# Altium PCB 11BRANMB10H3_20171026.pcbdoc (part 4 of 7) (continued)
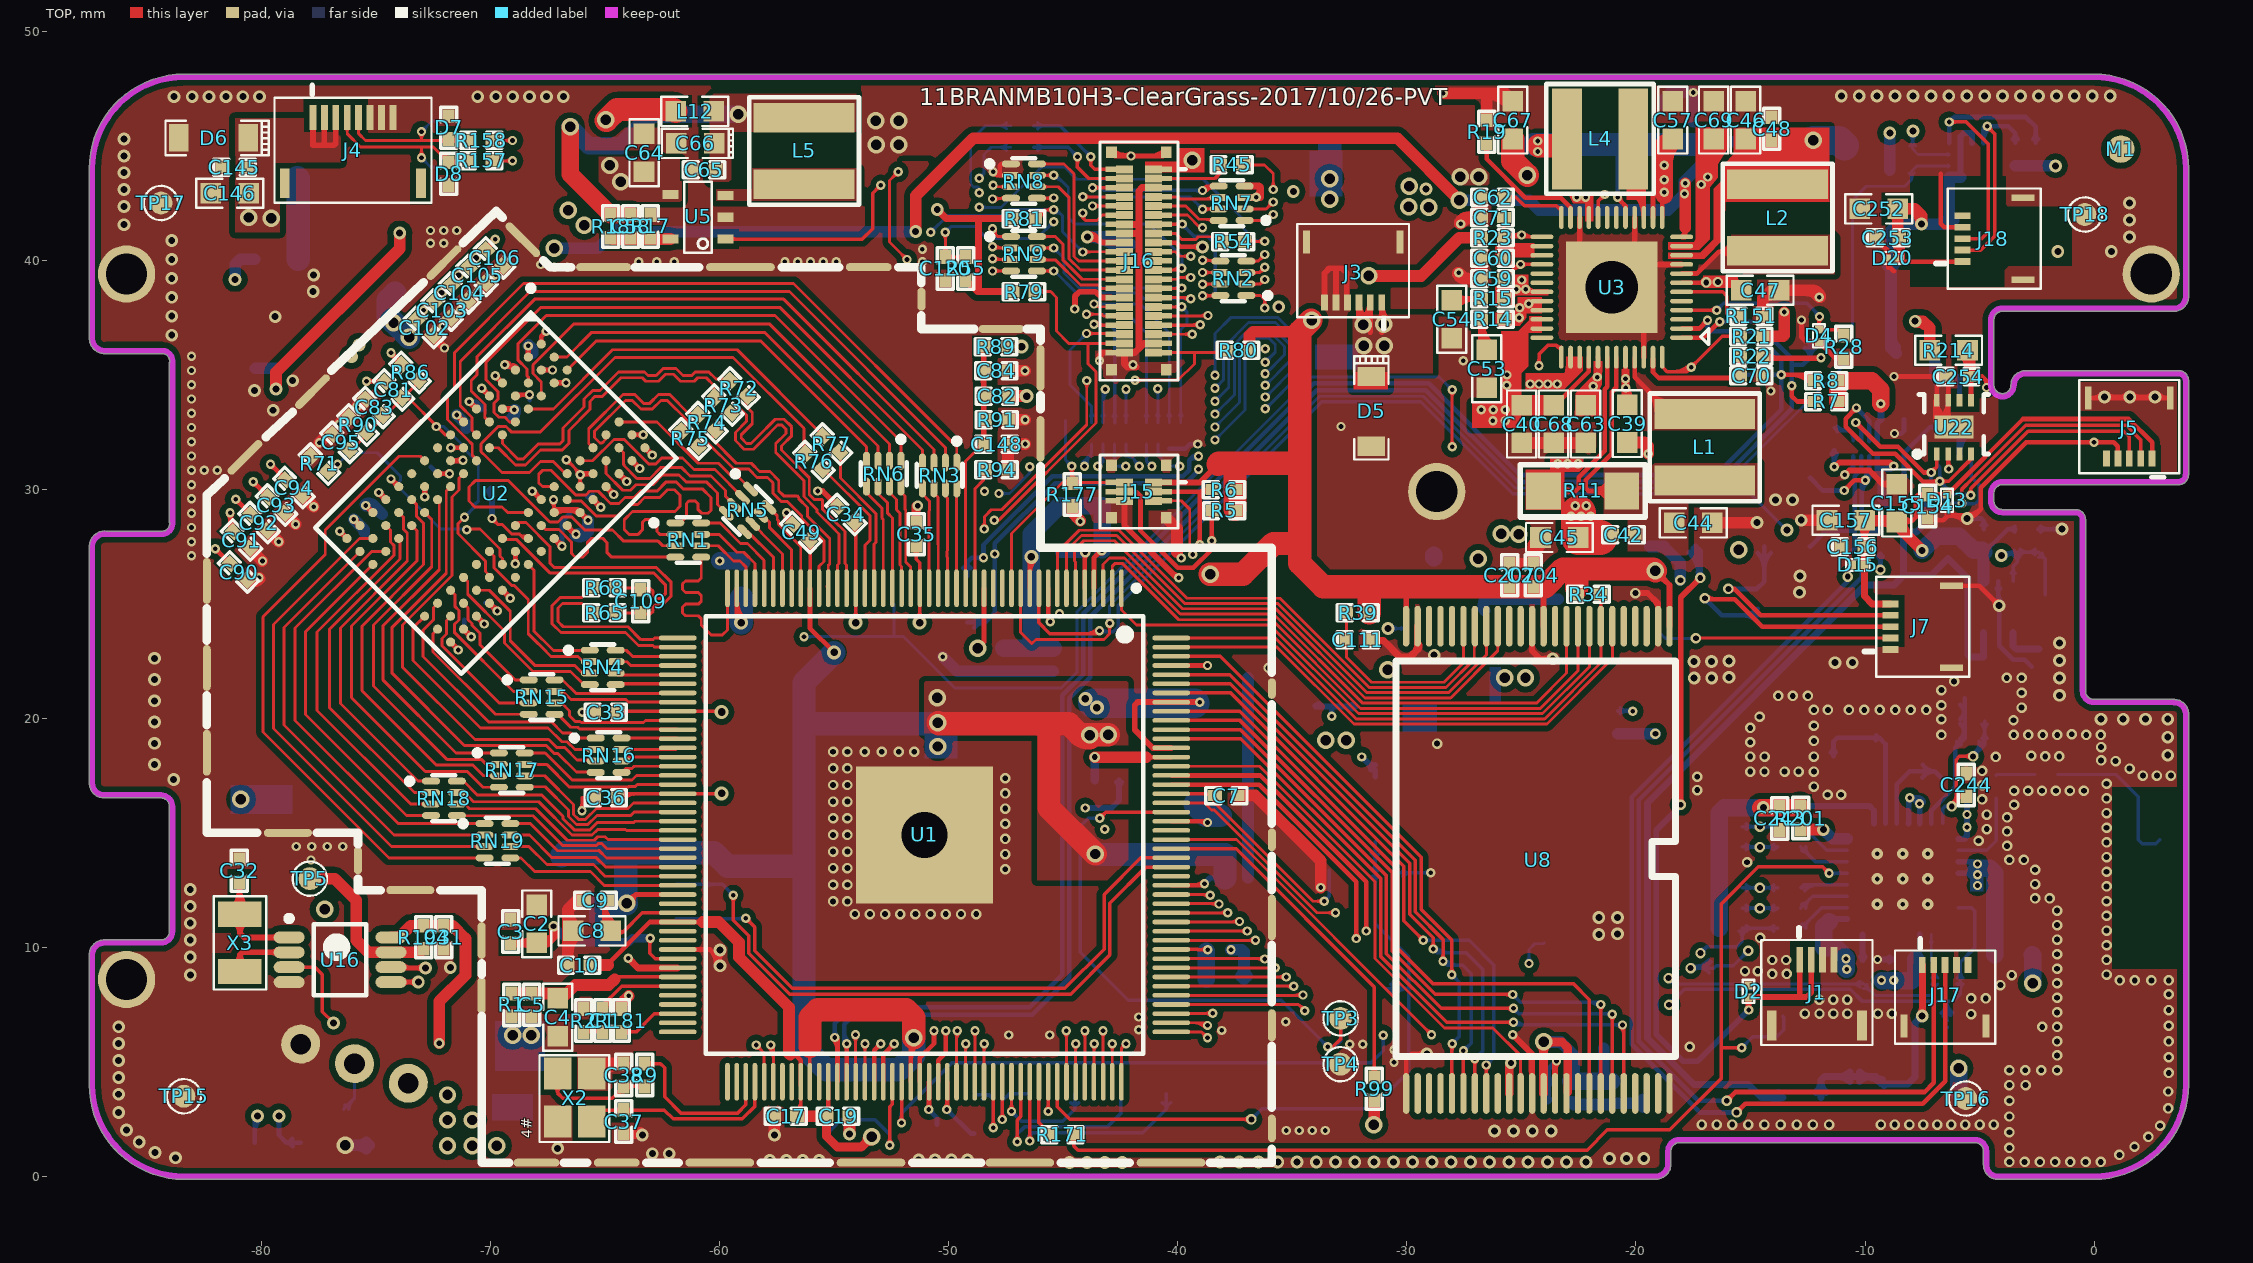
[diagram p0: TOP view]
## Nets (pads, with @x,y where several pads share a name; then routed paths per layer and width w, separated by ;. In a path a pad name is that pad's centre, name@x,y a point inside that pad or via, vN(x,y) a via of type N, cw(c..) or ccw(c..) an arc to the next point about the centre after c; other vN are vias at no path point) (continued)
LCD-D23: RN11.4 U1.130 | length 33
  TOP w0.127: v1@-43.371,6.259 cw(c-43.629,6.002) -43.265,6.002 ; U1.130@-43.265,4.133 v1@-43.265,6.35 ; -43.265,6.039 cw(c-42.954,6.039) v1@-43.174,6.259
  Singal w0.127: v1@-44.178,30.907 cw(c-44.407,30.674) -44.08,30.674 ; v1(-44.08,31.007) -44.08,30.674 ; v1@-43.983,30.907 ccw(c-43.753,30.674) -44.08,30.674 ; v1@-43.371,6.457 ccw(c-43.61,6.695) -43.273,6.695 ccw(c-42.935,6.695) v1@-43.174,6.457 ; v1(-43.273,6.358) -43.273,7.009 -41.723,8.559 -41.723,28.317 -44.08,30.674
  BOTTOM w0.127: v1@-44.193,30.989 cw(c-43.92,31.032) -44.116,31.228 ; v1@-44.156,31.124 ccw(c-44.245,31.263) -44.08,31.263 ; v1(-44.08,31.007) -44.08,31.263 ; v1@-44.068,31.009 cw(c-43.617,31.081) -43.94,31.404 ; v1@-44.005,31.124 cw(c-43.915,31.263) -44.08,31.263 ; -43.995,31.348 cw(c-43.764,31.117) RN11.4@-43.764,31.444 ; v1@-43.942,31.029 cw(c-43.313,31.129) RN11.4@-43.764,31.58 ; RN11.4@-43.764,31.974 RN11.4@-43.764,31.774 RN11.4@-43.764,31.58 ; -44.08,31.263 RN11.4@-43.764,31.58
LCD-DE: R44.2 U1.128 | length 50.9
  TOP w0.127: v1@-44.159,6.259 cw(c-44.397,6.021) -44.06,6.021 cw(c-43.723,6.021) v1@-43.961,6.259 ; U1.128@-44.065,4.133 -44.06,4.138 v1(-44.06,6.358)
  Singal w0.127: v1@-48.814,42.951 cw(c-49.151,42.951) -48.912,42.713 cw(c-48.674,42.474) v1@-48.674,42.812 ; v1(-48.674,42.951) -49.131,42.494 -49.131,32.73 -46.597,30.196 -44.253,30.196 -42.18,28.123 -42.18,8.933 -44.06,7.053 v1(-44.06,6.358) ; v1@-44.159,6.457 ccw(c-44.397,6.695) -44.06,6.695 ccw(c-43.723,6.695) v1@-43.961,6.457
  BOTTOM w0.127: v1(-48.674,42.951) -48.674,43.151 -48.728,43.205 -48.928,43.205 -49.042,43.32 -49.042,45.229 -48.399,45.872 R44.2@-47.299,45.872 ; R44.2@-47.48,45.741 ccw(c-47.799,45.422) -47.799,45.872 ccw(c-47.799,46.323) R44.2@-47.48,46.004
LCD-HSYNC: R46.2 U1.127 | length 51.3
  TOP w0.127: v1@-44.565,5.7 cw(c-44.804,5.462) -44.466,5.462 cw(c-44.129,5.462) v1@-44.368,5.7 ; v1(-44.466,5.799) -44.466,4.134 U1.127@-44.465,4.133
  Singal w0.127: v1@-48.577,43.586 v1(-48.674,43.586) ; v1@-44.565,5.898 ccw(c-44.804,6.136) -44.466,6.136 ccw(c-44.129,6.136) v1@-44.368,5.898 ; v1(-44.466,5.799) -44.466,6.981 -42.409,9.038 -42.409,28.028 -44.348,29.968 -46.692,29.968 -49.376,32.652 -49.376,43.313 -49.103,43.586 ; -49.103,43.586 v1(-48.674,43.586) ; -49.103,43.586 v1(-48.674,43.586) ; -49.011,43.586 cw(c-49.011,43.249) -48.773,43.488 ccw(c-49.011,43.249) -49.011,43.586 ; -49.011,43.586 ccw(c-49.011,43.924) -48.773,43.685 cw(c-49.011,43.924) -49.011,43.586
  BOTTOM w0.127: v1(-48.674,43.586) -48.462,43.799 ; v1@-48.662,43.726 ccw(c-48.64,43.977) -48.462,43.799 ; v1@-48.535,43.598 cw(c-48.283,43.62) -48.462,43.799 ; R46.2@-47.48,44.801 ccw(c-47.799,44.482) -47.799,44.933 ccw(c-47.799,45.383) R46.2@-47.48,45.064 ; R46.2@-47.299,44.933 -48.145,44.933 -48.462,44.616 -48.462,43.799
LCD-PWM0: TP26.1 U1.103 U9.5 | length 77.8
  TOP w0.127: v1@-54.176,6.081 cw(c-54.414,5.843) -54.077,5.843 cw(c-53.74,5.843) v1@-53.978,6.081 ; -54.077,4.975 ccw(c-53.948,4.975) U1.103@-54.039,4.884 ; v1(-54.077,6.18) -54.077,4.145 U1.103@-54.065,4.133 ; v1@-28.127,31.95 ccw(c-28.365,32.189) -28.028,32.189 ccw(c-27.691,32.189) v1@-27.929,31.95 ; v1@-28.127,34.242 cw(c-28.365,34.004) -28.028,34.004 cw(c-27.691,34.004) v1@-27.929,34.242 ; v1(-28.028,31.852) v1(-28.028,34.341)
  Singal w0.127: v1@-56.463,23.561 cw(c-56.768,23.552) -56.552,23.336 ; v1@-56.327,23.425 ccw(c-56.336,23.12) -56.552,23.336 ; v1(-56.323,23.565) -56.552,23.336 ; v1@-54.176,6.279 ccw(c-54.414,6.517) -54.077,6.517 ccw(c-53.74,6.517) v1@-53.978,6.279 ; v1(-54.077,6.18) -54.077,6.625 -56.552,9.1 -56.552,23.336 ; v3(-30.822,23.927) -31.203,24.308 -31.203,30.632 -30.314,31.521 -28.333,31.521 -28.028,31.826 v1(-28.028,31.852) ; -28.284,31.57 ccw(c-28.566,31.852) v1@-28.168,31.852 ; -28.223,31.631 cw(c-28.028,31.436) v1@-28.028,31.712
  BOTTOM w0.127: v1(-56.323,23.565) -51.98,23.565 -49.745,21.329 -45.094,21.329 -44.398,22.026 -44.398,24.67 -34.168,34.9 -28.587,34.9 v1(-28.028,34.341) ; v1@-56.224,23.466 cw(c-55.986,23.227) -55.986,23.565 cw(c-55.986,23.902) v1@-56.224,23.663 ; -52.4,23.577 TP26.1@-52.4,25 ; v3(-30.822,23.927) U9.5@-29.994,23.927 ; v3@-30.669,23.774 cw(c-30.301,23.406) -30.301,23.927 cw(c-30.301,24.448) v3@-30.669,24.079 ; U9.5@-30.239,23.887 ccw(c-30.335,23.79) -30.335,23.927 ccw(c-30.335,24.063) U9.5@-30.239,23.967 ; v1@-28.168,34.341 ccw(c-28.505,34.341) -28.266,34.579 ccw(c-28.028,34.818) v1@-28.028,34.48
LCD-RESET-N: C120.2 J15.5 J16.19 R55.1 U1.117 | length 85.9
  TOP w0.127: C120.2@-50.283,40.325 ccw(c-50.601,40.643) -50.151,40.643 ccw(c-49.701,40.643) C120.2@-50.019,40.325 ; v1@-50.25,41.125 cw(c-50.49,40.886) -50.151,40.886 ; -50.151,40.888 cw(c-49.815,40.888) v1@-50.053,41.125 ; v1@-50.151,41.268 v1(-50.151,41.224) C120.2@-50.151,40.143 R55.1@-49.262,40.143 ; C120.2@-50.019,40.011 cw(c-49.701,39.693) -49.701,40.143 cw(c-49.701,40.593) C120.2@-50.019,40.275 ; R55.1@-49.394,40.011 ccw(c-49.712,39.693) -49.712,40.143 ccw(c-49.712,40.593) R55.1@-49.394,40.275 ; v1@-48.553,5.7 cw(c-48.766,5.488) -48.465,5.488 ; U1.117@-48.465,4.133 v1@-48.465,5.788 ; -48.465,5.436 cw(c-48.091,5.436) v1@-48.355,5.7 ; J15.5@-41.065,29.5 J15.5@-40.475,29.5 -39.854,29.5 -39.483,29.129 -39.483,27.283 v1(-39.352,27.152) ; J16.19@-41.065,40.37 J16.19@-40.475,40.37 -40.109,40.37 -39.915,40.176 v1(-39.432,40.176) v1@-39.407,40.176 ; J15.5@-40.62,29.46 ccw(c-40.716,29.364) -40.716,29.5 ccw(c-40.716,29.636) J15.5@-40.62,29.54 ; J16.19@-40.62,40.33 ccw(c-40.716,40.234) -40.716,40.37 ccw(c-40.716,40.506) J16.19@-40.62,40.41 ; J15.5@-40.33,29.46 cw(c-40.234,29.364) -40.234,29.5 cw(c-40.234,29.636) J15.5@-40.33,29.54 ; J16.19@-40.33,40.33 cw(c-40.234,40.234) -40.234,40.37 cw(c-40.234,40.506) J16.19@-40.33,40.41 ; v1@-39.531,40.077 ccw(c-39.769,39.839) -39.769,40.176 ccw(c-39.769,40.513) v1@-39.531,40.275
  Singal w0.127: v1@-50.25,41.125 cw(c-50.489,40.887) -50.151,40.887 cw(c-49.814,40.887) v1@-50.053,41.125 ; v1(-50.151,41.224) -50.151,32.156 v1(-47.815,29.82) -47.281,29.286 -46.113,29.286 -44.788,27.961 -44.788,23.485 -45.524,22.748 -45.524,7.175 -46.9,5.799 v1(-48.454,5.799) ; v1@-48.355,5.7 cw(c-48.117,5.462) -48.117,5.799 cw(c-48.117,6.136) v1@-48.355,5.898 ; v1@-47.954,29.82 ccw(c-48.292,29.82) -48.053,30.058 ccw(c-47.815,30.297) v1@-47.815,29.959 ; v1@-47.815,29.68 cw(c-47.815,29.343) -47.576,29.581 cw(c-47.338,29.82) v1@-47.675,29.82 ; v1(-46.468,30.988) -45.503,30.988 -44.716,31.775 -39.915,31.775 -39.483,31.343 -39.483,27.283 v1(-39.352,27.152) ; v1@-46.37,30.889 cw(c-46.131,30.651) -46.131,30.988 cw(c-46.131,31.325) v1@-46.37,31.087 ; v1(-45.423,41.681) -42.671,41.681 -41.166,40.176 v1(-39.432,40.176) ; v1@-45.324,41.582 cw(c-45.086,41.344) -45.086,41.681 cw(c-45.086,42.018) v1@-45.324,41.78 ; v1@-39.531,40.077 ccw(c-39.769,39.839) -39.769,40.176 ccw(c-39.769,40.513) v1@-39.531,40.275
  BOTTOM w0.127: v1(-50.151,41.224) -49.898,41.478 -48.864,41.478 -48.344,40.957 -46.146,40.957 v1(-45.423,41.681) ; v1@-50.151,41.364 ccw(c-50.151,41.701) -49.913,41.463 ccw(c-49.674,41.224) v1@-50.012,41.224 ; v1(-47.815,29.82) -47.357,29.82 -46.468,30.709 ; v1@-47.716,29.721 cw(c-47.477,29.482) -47.477,29.82 cw(c-47.477,30.157) v1@-47.716,29.918 ; v1@-46.552,30.876 cw(c-46.678,30.709) -46.468,30.709 ; v1(-46.468,30.988) -46.468,30.709 ; v1@-46.385,30.876 ccw(c-46.259,30.709) -46.468,30.709 ; v1@-45.562,41.681 cw(c-45.9,41.681) -45.661,41.443 cw(c-45.423,41.204) v1@-45.423,41.541
LCD-SPI1_CLK: J16.40 R79.2 U1.115 | length 45.1
  TOP w0.127: v1@-49.366,5.7 cw(c-49.61,5.456) -49.265,5.456 ; U1.115@-49.265,4.133 v1@-49.265,5.797 ; -49.265,5.467 cw(c-48.935,5.467) v1@-49.168,5.7 ; v1(-48.018,28.651) -47.822,28.651 -43.573,32.9 -43.573,35.128 -43.928,35.484 -43.928,36.37 ; R79.2@-46.222,38.633 -45.554,38.633 -45.3,38.379 -45.3,36.906 -44.764,36.37 -43.928,36.37 ; R79.2@-46.041,38.502 cw(c-45.722,38.183) -45.722,38.633 cw(c-45.722,39.084) R79.2@-46.041,38.765 ; J16.40@-43.07,36.33 ccw(c-43.166,36.234) -43.166,36.37 ccw(c-43.166,36.506) J16.40@-43.07,36.41 ; J16.40@-42.78,36.33 cw(c-42.684,36.234) -42.684,36.37 cw(c-42.684,36.506) J16.40@-42.78,36.41 ; J16.40@-42.335,36.37 J16.40@-42.925,36.37 -43.928,36.37
  Singal w0.127: v1@-49.366,5.898 ccw(c-49.612,6.144) -49.264,6.144 ; v1(-49.267,5.799) -49.264,5.802 -49.264,6.51 -49.267,6.514 -49.267,6.672 -48.845,7.094 -48.195,7.094 -46.265,9.024 -46.265,22.061 -46.867,22.663 -46.867,27.011 -48.018,28.162 v1(-48.018,28.651) ; -49.264,6.128 ccw(c-48.938,6.128) v1@-49.168,5.898 ; v1@-48.117,28.552 cw(c-48.355,28.314) -48.018,28.314 cw(c-47.681,28.314) v1@-47.919,28.552
LCD-SPI1_CS0: J16.41 R80.2 U1.114 | length 50
  TOP w0.127: v1@-49.731,6.259 cw(c-49.89,6.1) -49.665,6.1 ; U1.114@-49.665,4.133 v1@-49.665,6.325 ; -49.665,5.941 cw(c-49.215,5.941) v1@-49.533,6.259 ; v1@-48.548,28.369 ccw(c-48.787,28.607) -48.45,28.607 ccw(c-48.112,28.607) v1@-48.351,28.369 ; v1(-48.45,28.27) -48.45,28.804 -48.145,29.108 -47.688,29.108 -43.979,32.817 v1(-43.979,34.747) ; v1@-44.078,34.648 cw(c-44.316,34.41) -43.979,34.41 cw(c-43.642,34.41) v1@-43.88,34.648 ; v1(-41.871,34.766) -39.991,34.766 -39.28,35.477 -39.28,35.97 ; v1@-41.772,34.667 cw(c-41.533,34.429) -41.533,34.766 cw(c-41.533,35.103) v1@-41.772,34.865 ; J16.41@-41.065,35.97 J16.41@-40.475,35.97 -39.28,35.97 ; J16.41@-40.62,35.93 ccw(c-40.716,35.834) -40.716,35.97 ccw(c-40.716,36.106) J16.41@-40.62,36.01 ; J16.41@-40.33,35.93 cw(c-40.234,35.834) -40.234,35.97 cw(c-40.234,36.106) J16.41@-40.33,36.01 ; -38.596,35.97 ccw(c-38.596,36.732) R80.2@-38.057,36.193 ; -38.289,35.97 ccw(c-38.289,36.426) R80.2@-37.967,36.103 ; R80.2@-37.875,36.061 -37.966,35.97 -39.28,35.97
  Singal w0.127: v1@-49.731,6.457 ccw(c-49.969,6.695) -49.632,6.695 ccw(c-49.295,6.695) v1@-49.533,6.457 ; v1(-49.632,6.358) -49.632,6.942 -49.251,7.323 -48.29,7.323 -46.494,9.119 -46.494,21.966 -47.095,22.568 -47.095,26.916 v1(-48.45,28.27) ; v1@-48.45,28.13 cw(c-48.45,27.793) -48.211,28.032 cw(c-47.973,28.27) v1@-48.31,28.27 ; v1(-43.979,34.747) -43.573,35.154 -42.258,35.154 v1(-41.871,34.766) ; v1@-43.979,34.887 ccw(c-43.979,35.224) -43.741,34.986 ccw(c-43.502,34.747) v1@-43.84,34.747 ; v1@-42.01,34.766 ccw(c-42.348,34.766) -42.109,35.004 ccw(c-41.871,35.243) v1@-41.871,34.906
LCD-SPI1_MOSI: J16.20 R81.2 U1.116 | length 59.8
  TOP w0.127: v1@-48.959,6.259 cw(c-49.187,6.031) -48.865,6.031 ; U1.116@-48.865,4.133 v1@-48.865,6.353 ; -48.865,6.01 cw(c-48.513,6.01) v1@-48.762,6.259 ; R81.2@-46.222,41.808 -45.829,42.202 ; R81.2@-46.172,41.995 ccw(c-46.172,42.324) -45.939,42.091 ; R81.2@-45.986,41.812 cw(c-45.449,41.822) -45.829,42.202 ; v1@-45.522,42.103 ccw(c-45.76,41.865) -45.76,42.202 ccw(c-45.76,42.539) v1@-45.522,42.301 ; v1(-45.423,42.202) -45.829,42.202 ; v1@-44.143,40.37 J16.20@-42.925,40.37 J16.20@-42.335,40.37 ; v1@-44.054,40.262 cw(c-43.792,40) -43.792,40.37 ; v1@-44.054,40.459 ccw(c-43.839,40.674) -43.839,40.37 ; J16.20@-43.07,40.33 ccw(c-43.166,40.234) -43.166,40.37 ccw(c-43.166,40.506) J16.20@-43.07,40.41 ; J16.20@-42.78,40.33 cw(c-42.684,40.234) -42.684,40.37 cw(c-42.684,40.506) J16.20@-42.78,40.41
  Singal w0.127: v1@-50.885,41.125 cw(c-51.127,40.883) -50.785,40.883 ; v1@-50.786,41.3 -50.785,41.299 v1(-50.786,41.224) -50.785,40.625 -50.449,40.288 -50.449,31.391 -48.191,29.134 -47.543,29.134 -45.79,27.381 -45.79,26.713 -46.638,25.865 -46.638,22.757 -46.037,22.156 -46.037,8.929 -48.608,6.358 ; -50.785,40.891 cw(c-50.453,40.891) v1@-50.688,41.125 ; v1@-48.861,6.243 ccw(c-48.861,6.577) -48.625,6.341 ; v1(-48.861,6.358) -48.608,6.358 ; v1@-48.861,6.37 ccw(c-48.861,7.01) -48.408,6.558 ; v1@-48.861,6.497 ccw(c-48.861,7.444) -48.191,6.775 ; v1@-48.742,6.284 cw(c-48.608,6.2) -48.608,6.358 ; v1@-48.742,6.432 ccw(c-48.608,6.516) -48.608,6.358
  BOTTOM w0.127: v1(-50.786,41.224) -50.063,41.948 -47.633,41.948 -47.366,42.215 -45.423,42.215 -45.3,42.215 -45.042,41.957 ; v1@-50.786,41.364 ccw(c-50.786,41.701) -50.548,41.463 ccw(c-50.309,41.224) v1@-50.647,41.224 ; -45.791,42.215 cw(c-45.791,41.834) v1@-45.522,42.103 ; -45.729,42.215 ccw(c-45.729,42.508) v1@-45.522,42.301 ; v1@-45.42,42.19 cw(c-45.376,41.96) -45.211,42.125 ; v1@-45.396,42.065 cw(c-45.321,41.678) -45.042,41.957 ; v1@-44.292,40.36 ccw(c-44.63,40.36) -44.391,40.599 ccw(c-44.153,40.837) v1@-44.153,40.5 ; v1(-44.153,40.36) -45.042,41.249 -45.042,41.957
LCD-VSYNC: R45.2 U1.126 | length 62.4
  TOP w0.127: v1@-44.972,6.259 cw(c-45.229,6.002) -44.865,6.002 ; v1(-44.873,6.358) -44.865,6.35 U1.126@-44.865,4.133 ; -44.865,6.039 cw(c-44.554,6.039) v1@-44.774,6.259 ; R45.2@-37.154,44.164 -36.213,44.164 -35.838,43.789 v1(-35.838,43.091) ; R45.2@-36.972,44.032 cw(c-36.654,43.714) -36.654,44.164 cw(c-36.654,44.614) R45.2@-36.972,44.296 ; v1@-35.937,43.19 ccw(c-36.175,43.428) -35.838,43.428 ccw(c-35.501,43.428) v1@-35.739,43.19
  Singal w0.127: v1@-45.013,6.358 ccw(c-45.35,6.358) -45.111,6.596 ccw(c-44.873,6.835) v1@-44.873,6.497 ; v1(-44.873,6.358) -45.124,6.608 -45.124,22.351 -44.463,23.011 -44.463,27.436 -44.462,27.437 -44.462,28.277 -45.848,29.663 -46.71,29.663 -49.605,32.557 -49.605,43.479 -48.532,44.552 -45.046,44.552 -44.64,44.145 -42.151,44.145 -41.711,43.705 -36.109,43.705 -35.838,43.434 v1(-35.838,43.091) ; v1@-35.937,43.19 ccw(c-36.175,43.428) -35.838,43.428 ccw(c-35.501,43.428) v1@-35.739,43.19
LDO_1V8_EN: R199.2 R210.1 TP2.1 U1.10 U19.3 | length 62
  TOP w0.152: U1.10@-46.065,25.683 -46.065,24.172 -45.587,23.694 -43.547,23.694 v1(-43.42,23.821) ; -44.033,23.694 ccw(c-44.033,24.434) v1@-43.51,23.911 ; -43.665,23.694 ccw(c-43.665,24.066) v1@-43.402,23.803
  Singal w0.152: v3(-13.411,28.219) -13.386,28.194 -7.391,28.194 -6.325,27.127 v3@-4.064,27.127
  BOTTOM w0.152: v1(-43.42,23.821) -43.374,23.774 -42.824,23.774 -42.601,23.998 -42.601,24.94 -33.721,33.82 -29.39,33.82 -25.38,29.81 -15.002,29.81 v3(-13.411,28.219) ; v1@-43.33,23.911 ccw(c-43.001,24.239) -43.001,23.774 ; v3(-4.051,27.114) -3.929,27.237 R199.2@-3.378,27.237 ; v3@-4.011,27.083 cw(c-3.693,26.831) -3.693,27.237 ; v3@-3.892,26.988 cw(c-3.378,26.582) R199.2@-3.378,27.237 ; v3@-3.833,27.237 cw(c-3.833,26.732) R199.2@-3.476,27.089 ; -3.712,27.237 ccw(c-3.712,27.571) R199.2@-3.476,27.335 ; U19.3@-3.617,26.329 ccw(c-3.828,26.54) -3.529,26.54 ccw(c-3.23,26.54) U19.3@-3.442,26.329 ; U19.3@-3.529,25.992 -3.529,26.645 -3.353,26.821 ; R199.2@-3.469,27.083 cw(c-3.706,26.821) -3.353,26.821 ; R199.2@-3.236,27.083 ccw(c-2.999,26.821) -3.353,26.821 ; R199.2@-3.23,27.139 cw(c-2.933,26.843) -2.933,27.262 cw(c-2.933,27.682) R199.2@-3.23,27.385 ; R210.1@-2.561,27.139 ccw(c-2.858,26.843) -2.858,27.262 ccw(c-2.858,27.682) R210.1@-2.561,27.385 ; R210.1@-2.406,27.041 cw(c-2.349,26.742) -2.134,26.957 ; R210.1@-2.265,27.212 ccw(c-1.966,27.212) -2.177,27.001 ; TP2.1@-2.134,25.4 TP2.1@-2.134,25.451 -2.134,26.957 ; R199.2@-3.378,27.237 R199.2@-3.353,27.262 ; -3.353,26.821 R199.2@-3.353,27.262 ; R199.2@-3.353,27.262 R210.1@-2.438,27.262 -2.134,26.957
LRADC: R181.1 U1.86 | length 3.4
  TOP w0.152: R181.1@-64.295,6.307 -63.657,6.307 -62.856,7.108 U1.86@-61.84,7.108 ; R181.1@-64.172,6.184 cw(c-63.875,5.887) -63.875,6.307 cw(c-63.875,6.727) R181.1@-64.172,6.43
N495906: D4.2 R28.1 U3.4 | length 10.8
  TOP w0.152: U3.4@-18.007,37.819 v1@-16.473,37.819 ; -16.781,37.819 ccw(c-16.781,38.131) v1@-16.561,37.91 ; -16.774,37.819 cw(c-16.774,37.518) v1@-16.561,37.731 ; D4.2@-12.084,37.038 ccw(c-12.253,37.207) -12.014,37.207 ccw(c-11.776,37.207) -11.944,37.038 ccw(c-11.776,37.207) -11.776,36.968 ccw(c-11.776,36.729) D4.2@-11.944,36.898 ; v1@-12.079,37.451 cw(c-12.234,37.296) -12.014,37.296 ; -12.014,37.173 cw(c-11.621,37.173) v1@-11.899,37.451 ; v1(-11.989,37.541) -12.014,37.516 D4.2@-12.014,36.968 -11.177,36.968 R28.1@-10.93,36.72
  BOTTOM w0.152: v1(-16.471,37.821) -16.166,38.125 -12.534,38.125 v1@-11.969,37.561 ; v1@-16.471,37.948 ccw(c-16.471,38.254) -16.254,38.037 ccw(c-16.037,37.821) v1@-16.344,37.821 ; -12.233,37.825 cw(c-12.517,37.541) v1@-12.116,37.541 ; -12.139,37.73 ccw(c-11.989,37.881) v1@-11.989,37.668
N496392: C42.1 C44.1 L1.1 R11.2 U3.43 | length 11.6
  TOP w0.203: R11.2@-21.111,29.494 ccw(c-22.073,28.648) -22.073,29.929 ; R11.2@-21.111,30.364 cw(c-22.073,31.21) -22.073,29.929 ; R11.2@-20.959,29.628 ccw(c-21.624,29.044) -21.624,29.929 ccw(c-21.624,30.814) R11.2@-20.959,30.23 ; U3.43@-20.857,35.769 -20.863,35.763 -20.863,34.46 -20.857,34.453 -20.857,34.447 -21.057,34.247 -21.057,31.549 -22.2,30.406 -22.2,30.056 -22.073,29.929 ; R11.2@-20.617,29.929 -22.073,29.929
N496496: L2.1 U3.8 | length 6.4
  TOP w0.203: U3.8@-18.007,39.419 -17.346,39.419 -16.39,40.375 ; -16.038,40.375 ccw(c-16.038,40.804) L2.1@-15.667,40.59 ; L2.1@-15.843,40.691 cw(c-16.39,41.007) -16.39,40.375 ; L2.1@-15.804,40.085 ccw(c-16.39,39.639) -16.39,40.375 ; L2.1@-13.818,40.417 -13.86,40.375 -16.39,40.375
N496956: C70.2 R22.1 U3.47 | length 7.1
  TOP w0.152: U3.47@-19.257,35.687 U3.47@-19.257,35.769
  TOP w0.203: U3.47@-19.257,35.687 -19.257,35.12 -18.993,34.857 -15.555,34.857 C70.2@-15.461,34.95 R22.1@-15.461,35.817 ; -16.096,34.857 ccw(c-16.096,35.535) C70.2@-15.616,35.055 ; C70.2@-15.566,35.055 ccw(c-15.82,35.309) -15.461,35.309 ccw(c-15.103,35.308) C70.2@-15.356,35.055 ; R22.1@-15.566,35.712 cw(c-15.819,35.458) -15.461,35.458 cw(c-15.103,35.458) R22.1@-15.356,35.712
N497310: C62.2 U3.24 | length 3.9
  TOP w0.152: C62.2@-25.764,42.756 -25.248,42.756 -24.867,42.375 -23.47,42.375 ; C62.2@-25.591,42.633 cw(c-25.294,42.336) -25.294,42.756 cw(c-25.294,43.176) C62.2@-25.591,42.879 ; -23.473,42.378 -23.47,42.375 ; U3.24@-23.257,41.869 -23.257,42.162 -23.47,42.375 ; U3.24@-23.258,42.293 cw(c-23.271,42.574) -23.47,42.375
N497342: R19.2 U3.23 | length 6.2
  TOP w0.203: R19.2@-26.623,44.959 cw(c-26.876,44.706) -26.518,44.706 cw(c-26.16,44.706) R19.2@-26.413,44.959 ; R19.2@-26.518,45.114 -26.518,44.421 -24.827,42.731 -23.29,42.731 -22.857,42.298 U3.23@-22.857,41.869
N497492: L4.1 U3.15 | length 8.9
  TOP w0.203: L4.1@-20.549,44.989 -20.549,44.788 -19.657,43.896 U3.15@-19.657,41.869 ; L4.1@-20.429,43.297 cw(c-21.466,41.814) U3.15@-19.657,41.814 ; L4.1@-20.313,43.463 cw(c-21.193,42.204) U3.15@-19.657,42.204 ; L4.1@-20.196,43.63 cw(c-20.921,42.594) -19.657,42.594 ; L4.1@-20.08,43.796 cw(c-20.648,42.984) -19.657,42.984
N497618: L1.2 U3.45 | length 7.5
  TOP w0.203: U3.45@-20.057,35.769 -20.057,34.898 -18.797,33.638 L1.2@-17.382,33.638 ; -19.55,34.391 cw(c-20.657,33.284) L1.2@-19.091,33.284 ; -19.308,34.149 ccw(c-18.543,34.915) L1.2@-18.543,33.832 ; -19.203,34.044 cw(c-19.963,33.284) L1.2@-18.888,33.284 ; L1.2@-18.962,33.803 ccw(c-18.543,34.221) L1.2@-18.543,33.629
N499368: C43.1 C51.1 C52.1 L3.1 L13.2 R13.2 | length 10.9
  TOP w0.508: v3(-79.375,34.374) -79.375,35.107 -73.976,40.506 v3(-73.976,41.192)
  BOTTOM w0.508: R13.2@-80.275,35.29 -79.392,35.29 C43.1@-79.386,35.284 -79.386,34.374 v3@-79.386,34.36
N499376: C43.2 R12.2 R13.1 U4.5
N499488: L3.2 U4.3 | length 3.6
  BOTTOM w1.016: L3.2@-78.449,43.605 -78.411,43.567 U4.3@-78.411,40.049
N502826: C58.1 C65.1 C66.1 L5.1 L12.2 R18.2 | length 13.7
  TOP w0.762: v4(-66.534,45.822) -66.534,43.756 R18.2@-64.756,41.978 C58.1@-63.893,41.978
  BOTTOM w0.762: v4(-66.534,45.822) -65.715,45.002 -64.331,45.002 -62.96,46.374 v4(-59.193,46.374)
N502890: C58.2 R17.2 R18.1 U5.5 | length 2.6
  TOP w0.508: R18.1@-64.756,40.978 -64.706,40.928 -63.893,40.928 -63.029,40.928 U5.5@-62.152,40.928
N502982: L5.2 U5.3
N16922120: C54.1 R15.2 | length 3
  TOP w0.254: C54.1@-28.042,38.248 -27.979,38.311 R15.2@-26.764,38.311 ; C54.1@-27.814,38.019 cw(c-27.109,37.314) -27.109,38.311 ; C54.1@-27.814,38.476 ccw(c-27.416,38.874) -27.416,38.311 ; R15.2@-26.901,38.224 ccw(c-27.111,38.014) -27.111,38.311 ccw(c-27.111,38.608) R15.2@-26.901,38.398
N16974975: J16.3 R45.1 | length 3.9
  TOP w0.152: J16.3@-41.065,43.57 J16.3@-40.475,43.57 -38.382,43.57 -38.154,43.798 ; R45.1@-38.264,44.029 cw(c-38.453,43.798) -38.154,43.798 ; R45.1@-38.154,44.164 -38.154,43.798 ; R45.1@-38.044,44.029 ccw(c-37.856,43.798) -38.154,43.798
N16974977: J16.4 R46.1 | length 6.4
  TOP w0.152: v1@-44.475,44.436 cw(c-44.692,44.22) -44.386,44.22 cw(c-44.079,44.22) v1@-44.296,44.436 ; v1(-44.386,44.526) -44.386,44.069 -43.887,43.57 J16.4@-42.925,43.57 J16.4@-42.335,43.57
  BOTTOM w0.152: R46.1@-46.299,44.933 -44.792,44.933 v1(-44.386,44.526) ; R46.1@-46.126,44.81 cw(c-45.829,44.513) -45.829,44.933 cw(c-45.829,45.352) R46.1@-46.126,45.055 ; v1@-44.513,44.526 ccw(c-44.819,44.526) -44.602,44.743 ccw(c-44.386,44.96) v1@-44.386,44.653
N16975074: J16.2 R44.1 | length 6.6
  TOP w0.152: v1@-43.891,44.436 cw(c-44.108,44.22) -43.801,44.22 cw(c-43.495,44.22) v1@-43.712,44.436 ; v1(-43.801,44.526) -43.801,44.145 -43.626,43.97 J16.2@-42.925,43.97 J16.2@-42.335,43.97
  BOTTOM w0.152: R44.1@-46.299,45.872 -45.148,45.872 v1(-43.801,44.526) ; R44.1@-46.126,45.75 cw(c-45.829,45.453) -45.829,45.872 cw(c-45.829,46.292) R44.1@-46.126,45.995 ; v1@-43.928,44.526 ccw(c-44.235,44.526) -44.018,44.743 ccw(c-43.801,44.96) v1@-43.801,44.653
N16976082: J16.6 RN7.5 | length 10.3
  TOP w0.152: v1@-43.696,43.17 J16.6@-42.925,43.17 J16.6@-42.335,43.17 ; v1@-43.635,43.08 cw(c-43.419,42.863) -43.419,43.17 cw(c-43.419,43.477) v1@-43.635,43.26 ; v1@-38.943,43.063 cw(c-38.557,42.723) RN7.5@-38.557,43.238 ; v1(-38.924,43.046) -38.733,43.238 ; v1@-38.912,43.173 ccw(c-38.892,43.396) -38.733,43.238 ; v1@-38.829,42.962 cw(c-38.219,42.425) RN7.5@-38.219,43.238 -38.733,43.238 ; v1@-38.798,43.058 cw(c-38.574,43.079) -38.733,43.238 ; RN7.5@-38.515,43.184 ccw(c-38.645,43.054) -38.645,43.238 ccw(c-38.645,43.422) RN7.5@-38.515,43.292
  BOTTOM w0.152: v1(-43.725,43.17) -43.331,43.17 -43.207,43.046 v1(-38.924,43.046) ; v1@-43.635,43.08 cw(c-43.419,42.863) -43.419,43.17 cw(c-43.419,43.477) v1@-43.635,43.26 ; v1@-39.014,42.957 ccw(c-39.231,42.74) -39.231,43.046 ccw(c-39.231,43.353) v1@-39.014,43.136
N16976085: J16.7 RN7.6 | length 3.7
  TOP w0.127: J16.7@-41.065,42.77 J16.7@-40.475,42.77 -39.991,42.77 -39.899,42.678 -38.279,42.678 RN7.6@-38.219,42.738 ; J16.7@-40.62,42.73 ccw(c-40.716,42.634) -40.716,42.77 ccw(c-40.716,42.906) J16.7@-40.62,42.81 ; J16.7@-40.33,42.73 cw(c-40.234,42.634) -40.234,42.77 cw(c-40.234,42.906) J16.7@-40.33,42.81 ; -38.819,42.678 ccw(c-38.819,43.096) RN7.6@-38.524,42.8
N16976088: J16.8 RN7.7 | length 10.9
  TOP w0.127: v1@-44.15,42.77 J16.8@-42.925,42.77 J16.8@-42.335,42.77 ; v1@-44.054,42.668 cw(c-43.808,42.422) -43.808,42.77 ; v1@-44.054,42.866 ccw(c-43.823,43.097) -43.823,42.77 ; J16.8@-43.07,42.73 ccw(c-43.166,42.634) -43.166,42.77 ccw(c-43.166,42.906) J16.8@-43.07,42.81 ; J16.8@-42.78,42.73 cw(c-42.684,42.634) -42.684,42.77 cw(c-42.684,42.906) J16.8@-42.78,42.81 ; v1@-39,42.234 v1(-38.924,42.234) -38.92,42.238 RN7.7@-38.219,42.238 ; v1@-38.825,42.135 cw(c-38.577,41.887) RN7.7@-38.577,42.238 ; v1@-38.825,42.332 ccw(c-38.597,42.561) RN7.7@-38.597,42.238 ; RN7.7@-38.524,42.175 ccw(c-38.675,42.023) -38.675,42.238 ccw(c-38.675,42.452) RN7.7@-38.524,42.301
  BOTTOM w0.127: v1(-44.153,42.767) -39.458,42.767 v1(-38.924,42.234) ; v1@-44.054,42.668 cw(c-43.816,42.43) -43.816,42.767 cw(c-43.816,43.104) v1@-44.054,42.866 ; v1@-39.064,42.234 ccw(c-39.401,42.234) -39.163,42.472 ccw(c-38.924,42.711) v1@-38.924,42.373
N16976091: J16.9 RN7.8 | length 3.8
  TOP w0.127: J16.9@-41.065,42.37 J16.9@-40.475,42.37 -39.658,42.37 -39.077,41.789 -38.271,41.789 RN7.8@-38.219,41.738 ; J16.9@-40.62,42.33 ccw(c-40.716,42.234) -40.716,42.37 ccw(c-40.716,42.506) J16.9@-40.62,42.41 ; J16.9@-40.33,42.33 cw(c-40.234,42.234) -40.234,42.37 cw(c-40.234,42.506) J16.9@-40.33,42.41 ; -38.8,41.789 cw(c-38.8,41.398) RN7.8@-38.524,41.675
N16976439: J16.15 R54.1 | length 3.7
  TOP w0.127: J16.15@-41.065,41.17 J16.15@-40.475,41.17 -40.093,41.17 -39.823,40.9 -39.235,40.9 -39.108,41.027 -38.294,41.027 R54.1@-38.078,40.811 ; J16.15@-40.62,41.13 ccw(c-40.716,41.034) -40.716,41.17 ccw(c-40.716,41.306) J16.15@-40.62,41.21 ; J16.15@-40.33,41.13 cw(c-40.234,41.034) -40.234,41.17 cw(c-40.234,41.306) J16.15@-40.33,41.21
N16977236: J16.25 RN8.5 | length 15.7
  TOP w0.127: RN8.5@-46.144,42.723 RN8.5@-46.157,42.709 -45.423,42.709 -45.415,42.709 -45.412,42.712 v1@-45.402,42.723 ; RN8.5@-45.853,42.646 cw(c-45.701,42.495) -45.701,42.709 cw(c-45.701,42.924) RN8.5@-45.853,42.772 ; RN8.5@-45.793,42.709 ccw(c-45.793,43.093) v1@-45.522,42.822 ; -45.728,42.709 cw(c-45.728,42.418) v1@-45.522,42.624 ; J16.25@-41.065,39.17 J16.25@-40.475,39.17 -40.029,39.17 -39.95,39.249 v1(-39.432,39.249) ; J16.25@-40.62,39.13 ccw(c-40.716,39.034) -40.716,39.17 ccw(c-40.716,39.306) J16.25@-40.62,39.21 ; J16.25@-40.33,39.13 cw(c-40.234,39.034) -40.234,39.17 cw(c-40.234,39.306) J16.25@-40.33,39.21 ; v1@-39.531,39.15 ccw(c-39.769,38.912) -39.769,39.249 ccw(c-39.769,39.586) v1@-39.531,39.348
  Singal w0.127: v1@-45.402,42.723 v1(-45.423,42.723) ; v1@-39.531,39.15 ccw(c-39.769,38.912) -39.769,39.249 ccw(c-39.769,39.586) v1@-39.531,39.348 ; v1(-39.432,39.249) -44.464,39.249 -45.169,39.954 -45.677,39.954 -46.007,40.284 -46.007,42.418 -45.702,42.723 ; -45.702,42.723 cw(c-45.702,42.514) -45.535,42.639 ccw(c-45.702,42.514) -45.702,42.723 ; -45.702,42.723 ccw(c-45.702,42.932) -45.535,42.807 cw(c-45.702,42.932) -45.702,42.723 ; -45.702,42.723 v1(-45.423,42.723) ; -45.702,42.723 v1(-45.423,42.723)
N16977237: J16.24 RN8.6 | length 7.3
  TOP w0.127: RN8.6@-45.853,43.147 cw(c-45.701,42.995) -45.701,43.209 cw(c-45.701,43.424) RN8.6@-45.853,43.272 ; RN8.6@-45.802,43.209 -45.22,43.209 -44.762,42.752 -44.762,40.076 -44.256,39.57 J16.24@-42.925,39.57 J16.24@-42.335,39.57 ; J16.24@-43.07,39.53 ccw(c-43.166,39.434) -43.166,39.57 ccw(c-43.166,39.706) J16.24@-43.07,39.61 ; J16.24@-42.78,39.53 cw(c-42.684,39.434) -42.684,39.57 cw(c-42.684,39.706) J16.24@-42.78,39.61